# KiCad board keyboard.kicad_pcb (continued)
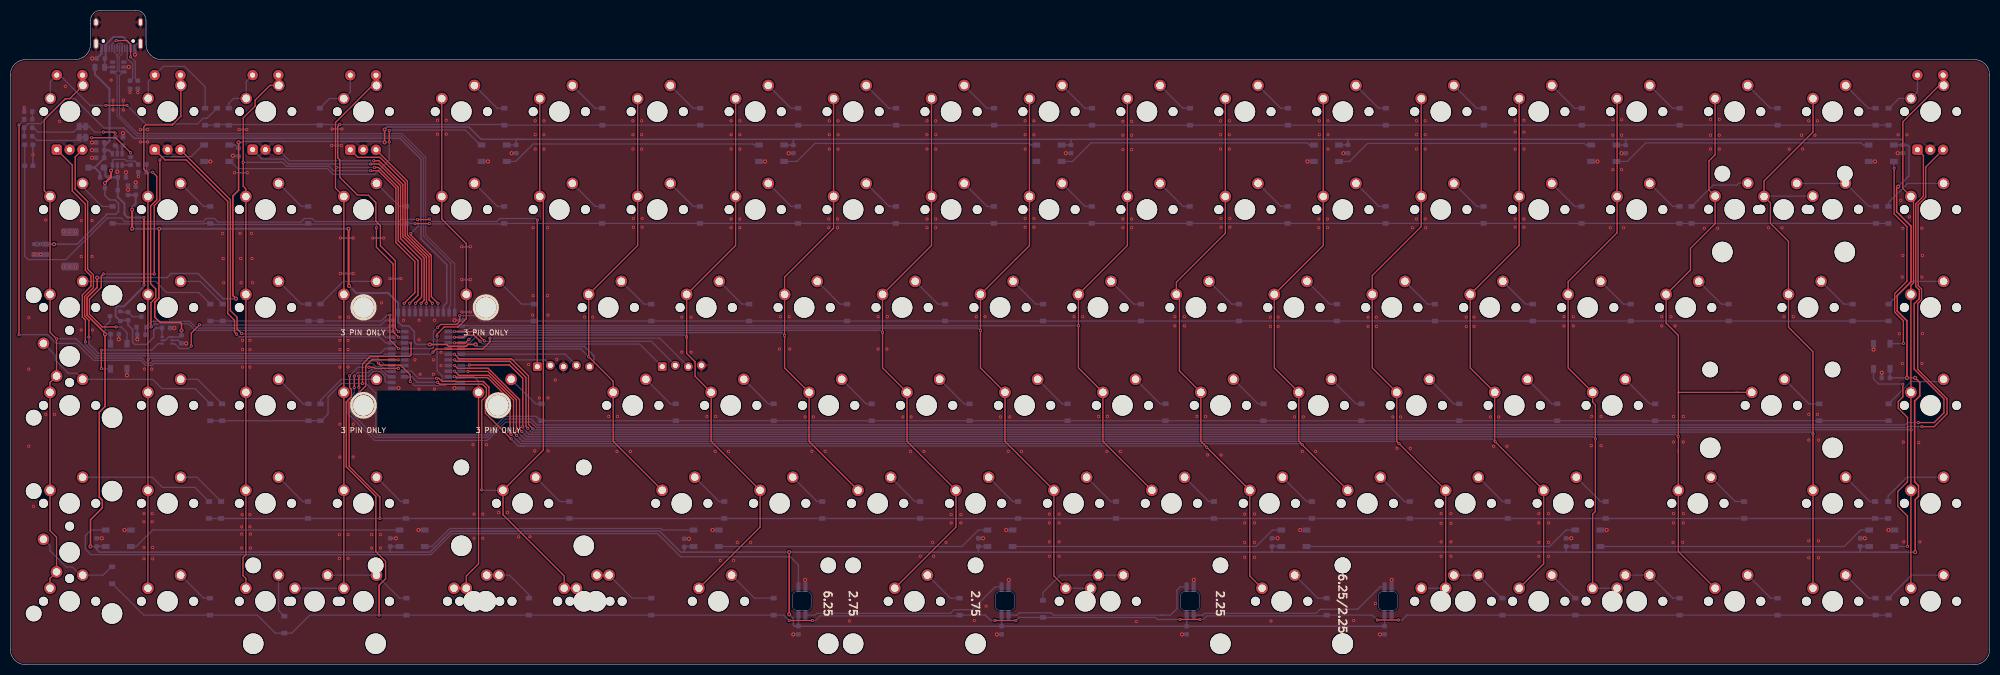
[diagram p0: board, top side]
## Footprints (pads in the part's own frame, mm; a bottom-side part is the same pattern mirrored in y, then rotated) (continued)
  rect 0.7x1.524 smd: 14(-5.5,-9) 15(-4.4,-9) 16(-3.3,-9) 17(-2.2,-9) 18(-1.1,-9) 19(0,-9) 20(1.1,-9) 21(2.2,-9) 22(3.3,-9) 23(4.4,-9) 24(5.5,-9)
R_0603_1608Metric
  rrect 0.875x0.95 smd: 1(-0.787,0) 2(0.787,0)
SK8612-MINI-E
  rrect 1.8x0.82 smd far side: 1(-2.7,0.7) 2(-2.7,-0.66) 4(2.8,0.7)
  rect 1.8x0.82 smd far side: 3(2.8,-0.66)
SolderJumper-2_P1.3mm_Bridged_RoundedPad1.0x1.5mm
  custom 1x1.5 smd: 1(-0.65,0) 2(0.65,0)
SOT-23
  rect 0.9x0.8 smd: 1(-1,0.95) 2(-1,-0.95) 3(1,0)
SOT-23-6
  rect 1.06x0.65 smd: 1(-1.1,0.95) 2(-1.1,0) 3(-1.1,-0.95) 4(1.1,-0.95) 5(1.1,0) 6(1.1,0.95)
SOT-23-6#2
  rrect 1.06x0.65 smd: 1(-1.1,0.95) 2(-1.1,0) 3(-1.1,-0.95) 4(1.1,-0.95) 5(1.1,0) 6(1.1,0.95)
SOT-363_SC-70-6
  rect 0.65x0.4 smd: 1(-0.95,0.65) 2(-0.95,0) 3(-0.95,-0.65) 4(0.95,-0.65) 5(0.95,0) 6(0.95,0.65)
SW_Push_KMR2
  rrect 0.9x1 smd: 1(-2.05,0.8) 1(2.05,0.8) 2(-2.05,-0.8) 2(2.05,-0.8)
USB_C_Receptacle_HRO_TYPE-C-31-M-12
  oval 1.5x2.1 smd: (-4.55,-1.05) (4.55,-1.05)
  oval 1.5x2.5 smd: (-4.55,3.13) (4.55,3.13)
  round 0.65 hole 0.65 unplated: (-2.89,2.6) (2.89,2.6)
  rrect 0.6x1.45 smd: A1(-3.25,4.045) A4(-2.45,4.045) A9(2.45,4.045) A12(3.25,4.045) B1(3.25,4.045) B4(2.45,4.045) B9(-2.45,4.045) B12(-3.25,4.045)
  rrect 0.3x1.45 smd: A5(-1.25,4.045) A6(-0.25,4.045) A7(0.25,4.045) A8(1.25,4.045) B5(1.75,4.045) B6(0.75,4.045) B7(-0.75,4.045) B8(-1.75,4.045)
  oval 1x1.6 hole 0.6x1.2: S1(-4.32,-1.05) S1(4.32,-1.05)
  oval 1x2.1 hole 0.6x1.7: S1(-4.32,3.13) S1(4.32,3.13)

## Nets
+3V3: C19.1 C21.2 J1.5 U1.14 U2.1 U2.5 U3.2
+5V: C25.1 C26.1 D21.2 D23.2 D24.2 F1.1 Q3.1 R10.1 U1.22 U5.4
GND: C1.1 C2.1 C3.1 C4.1 C5.1 C6.1 C7.1 C8.1 C9.1 C10.1 C11.1 C12.1 C13.1 C14.1 C15.1 C16.1 C17.1 C18.1 C19.2 C20.2 C21.1 C22.2 C23.1 C24.1 C25.2 C26.2 C27.1 D1.3 D2.3 D3.3 D4.3 D5.3 D6.3 D7.3 D8.3 D9.3 D10.3 D11.3 D12.3 D13.3 D14.3 D15.3 D16.3 D17.3 D18.3 D19.3 D20.3 J1.3 J2.A1 J2.A12 J2.B1 J2.B12 J2.S1 J3.2 J4.4 K_1.C K_9.C K_15.C K_22.C K_113.C Q1.2 R2.2 R3.2 R4.1 R7.2 R8.1 R10.2 R11.2 SW1.2 U1.1 U1.25 U1.37 U2.2 U3.1 U4.2 U5.2
VBUS: C24.2 F1.2 J2.A4 J2.A9 J2.B4 J2.B9 U4.5
+BATT: J3.1 Q3.3 R1.1 U5.3
/COL0: K_1.S1 K_2.1 K_3.1 K_4.1 K_5.1 K_6.1 K_7.1 K_8.1 U1.36
/COL1: K_9.S1 K_10.1 K_11.1 K_12.1 K_13.1 K_14.1 U1.5
/COL2: K_15.S1 K_16.1 K_17.1 K_18.1 K_19.1 K_20.1 U1.15
/COL3: K_21.1 K_22.S1 K_23.1 K_24.1 K_25.1 K_26.1 K_27.1 U1.16
/COL4: K_28.1 K_29.1 K_30.1 K_31.1 K_32.1 K_120.1 U1.35
/COL5: K_33.1 K_34.1 K_35.1 K_36.1 K_121.1 U1.38
/COL6: K_37.1 K_38.1 K_39.1 K_40.1 K_41.1 U1.30
/COL7: K_42.1 K_43.1 K_44.1 K_45.1 K_46.1 K_47.1 U1.29
/COL8: K_48.1 K_49.1 K_50.1 K_51.1 K_52.1 U1.53
/COL9: K_53.1 K_54.1 K_55.1 K_56.1 K_57.1 K_58.1 U1.28
/COL10: K_59.1 K_60.1 K_61.1 K_62.1 K_63.1 K_64.1 K_66.1 U1.27
/COL11: K_65.1 K_67.1 K_68.1 K_69.1 K_70.1 U1.26
/COL12: K_71.1 K_72.1 K_73.1 K_74.1 K_75.1 K_76.1 U1.39
/COL13: K_77.1 K_78.1 K_79.1 K_80.1 K_81.1 U1.47
/COL14: K_82.1 K_83.1 K_84.1 K_85.1 K_86.1 K_87.1 K_88.1 U1.48
/COL15: K_89.1 K_90.1 K_91.1 K_92.1 K_93.1 K_94.1 U1.34
/COL16: K_95.1 K_96.1 K_97.1 K_98.1 K_99.1 K_100.1 U1.49
/COL17: K_101.1 K_102.1 K_103.1 K_104.1 K_105.1 K_106.1 U1.33
/COL18: K_107.1 K_108.1 K_109.1 K_110.1 K_111.1 K_112.1 U1.50
/COL19: K_113.S1 K_114.1 K_115.1 K_116.1 K_117.1 K_118.1 U1.51
/ENC0_A: K_1.A U1.7
/ENC0_B: K_1.B U1.8
/ENC1_A: K_9.A U1.9
/ENC1_B: K_9.B U1.10
/ENC2_A: K_15.A U1.17
/ENC2_B: K_15.B U1.18
/ENC3_A: K_22.A U1.19
/ENC3_B: K_22.B U1.20
/ENC4_A: K_113.A U1.2
/ENC4_B: K_113.B U1.3
/nRST: J1.1 SW1.1 U1.21
/ROW0: D_1.1 D_8.1 D_13.1 D_18.1 D_24.1 D_31.1 D_36.1 D_42.1 D_47.1 D_53.1 D_58.1 D_64.1 D_69.1 D_75.1 D_80.1 D_86.1 D_93.1 D_99.1 D_103.1 D_109.1 U1.46
/ROW1: D_2.1 D_7.1 D_17.1 D_20.1 D_25.1 D_32.1 D_37.1 D_43.1 D_48.1 D_54.1 D_59.1 D_65.1 D_70.1 D_76.1 D_81.1 D_87.1 D_88.1 D_96.1 D_104.1 D_110.1 U1.45
/ROW2: D_3.1 D_11.1 D_16.1 D_22.1 D_28.1 D_34.1 D_39.1 D_45.1 D_51.1 D_56.1 D_62.1 D_67.1 D_73.1 D_78.1 D_84.1 D_91.1 D_94.1 D_100.1 D_105.1 U1.43
/ROW3: D_4.1 D_12.1 D_21.1 D_27.1 D_33.1 D_38.1 D_44.1 D_49.1 D_55.1 D_60.1 D_66.1 D_71.1 D_77.1 D_83.1 D_92.1 D_95.1 D_101.1 D_106.1 U1.44
/ROW4: D_6.1 D_10.1 D_15.1 D_23.1 D_29.1 D_35.1 D_41.1 D_46.1 D_52.1 D_57.1 D_63.1 D_68.1 D_74.1 D_82.1 D_90.1 D_97.1 D_102.1 D_108.1 U1.41
/ROW5: D_5.1 D_9.1 D_14.1 D_19.1 D_26.1 D_30.1 D_40.1 D_50.1 D_61.1 D_72.1 D_79.1 D_85.1 D_89.1 D_98.1 D_107.1 D_111.1 U1.40
/SPARE_0: J4.1 U1.54
/SPARE_1: J4.2 U1.55
/SPARE_2: J4.3 U1.42
/SWDCLK: J1.4 U1.31
/SWDIO: J1.2 U1.32
/UG_DAT: U1.13 U2.3
/UG_DAT_VBATT: D19.4 U2.4
/UG_EN: Q1.1 R3.1 U1.12
/UG_PWR: C20.1 C22.1 D21.1 Q2.2 Q3.2 R6.2 U2.6 U3.3
/UG_PWR_SW: C1.2 C2.2 C3.2 C4.2 C5.2 C6.2 C7.2 C8.2 C9.2 C10.2 C11.2 C12.2 C13.2 C14.2 C15.2 C16.2 C17.2 C18.2 C23.2 C27.2 D1.1 D2.1 D3.1 D4.1 D5.1 D6.1 D7.1 D8.1 D9.1 D10.1 D11.1 D12.1 D13.1 D14.1 D15.1 D16.1 D17.1 D18.1 D19.1 D20.1 Q2.3
/USB_D+: J2.A6 J2.B6 U1.24 U4.3
/USB_D-: J2.A7 J2.B7 U1.23 U4.4
/USR_LED: D22.2 U1.4
/VSENSE: R1.2 R2.1 U1.11
Net-(D1-Pad2): D1.2 D2.4
Net-(D1-Pad4): D1.4 D20.2
Net-(D2-Pad2): D2.2 D3.4
Net-(D3-Pad2): D3.2 D4.4
Net-(D5-Pad2): D5.2 D6.4
Net-(D5-Pad4): D5.4 D7.2
Net-(D6-Pad2): D6.2 D9.4
Net-(D7-Pad4): D7.4 D8.2
Net-(D10-Pad2): D8.4 D10.2
Net-(D10-Pad4): D10.4 D12.2
Net-(D11-Pad2): D11.2 D13.4
Net-(D11-Pad4): D9.2 D11.4
Net-(D12-Pad4): D12.4 D14.2
Net-(D13-Pad2): D13.2 D15.4
Net-(D14-Pad4): D14.4 D16.2
Net-(D15-Pad2): D15.2 D17.4
Net-(D16-Pad4): D16.4 D18.2
Net-(D17-Pad2): D17.2 D20.4
Net-(D18-Pad4): D18.4 D19.2
Net-(D22-Pad1): D22.1 R11.1
Net-(D23-Pad1): D23.1 JP1.1
Net-(D24-Pad1): D24.1 JP2.1
Net-(D_1-Pad2): D_1.2 K_113.S2
Net-(D_2-Pad2): D_2.2 K_114.2
Net-(D_3-Pad2): D_3.2 K_115.2
Net-(D_4-Pad2): D_4.2 K_116.2
Net-(D_5-Pad2): D_5.2 K_118.2
Net-(D_6-Pad2): D_6.2 K_117.2
Net-(D_7-Pad2): D_7.2 K_107.2 K_110.2
Net-(D_8-Pad2): D_8.2 K_109.2
Net-(D_9-Pad2): D_9.2 K_112.2
Net-(D_10-Pad2): D_10.2 K_111.2
Net-(D_11-Pad2): D_11.2 K_108.2
Net-(D_12-Pad2): D_12.2 K_106.2
Net-(D_13-Pad2): D_13.2 K_103.2
Net-(D_14-Pad2): D_14.2 K_105.2
Net-(D_15-Pad2): D_15.2 K_102.2
Net-(D_16-Pad2): D_16.2 K_101.2
Net-(D_17-Pad2): D_17.2 K_104.2
Net-(D_18-Pad2): D_18.2 K_98.2
Net-(D_19-Pad2): D_19.2 K_97.2 K_100.2
Net-(D_20-Pad2): D_20.2 K_99.2
Net-(D_21-Pad2): D_21.2 K_96.2
Net-(D_22-Pad2): D_22.2 K_95.2
Net-(D_23-Pad2): D_23.2 K_94.2
Net-(D_24-Pad2): D_24.2 K_91.2
Net-(D_25-Pad2): D_25.2 K_92.2
Net-(D_26-Pad2): D_26.2 K_93.2
Net-(D_27-Pad2): D_27.2 K_90.2
Net-(D_28-Pad2): D_28.2 K_89.2
Net-(D_29-Pad2): D_29.2 K_87.2
Net-(D_30-Pad2): D_30.2 K_86.2 K_88.2
Net-(D_31-Pad2): D_31.2 K_84.2
Net-(D_32-Pad2): D_32.2 K_85.2
Net-(D_33-Pad2): D_33.2 K_83.2
Net-(D_34-Pad2): D_34.2 K_82.2
Net-(D_35-Pad2): D_35.2 K_81.2
Net-(D_36-Pad2): D_36.2 K_79.2
Net-(D_37-Pad2): D_37.2 K_80.2
Net-(D_38-Pad2): D_38.2 K_78.2
Net-(D_39-Pad2): D_39.2 K_77.2
Net-(D_40-Pad2): D_40.2 K_76.2
Net-(D_41-Pad2): D_41.2 K_75.2
Net-(D_42-Pad2): D_42.2 K_73.2
Net-(D_43-Pad2): D_43.2 K_74.2
Net-(D_44-Pad2): D_44.2 K_72.2
Net-(D_45-Pad2): D_45.2 K_71.2
Net-(D_46-Pad2): D_46.2 K_70.2
Net-(D_47-Pad2): D_47.2 K_68.2
Net-(D_48-Pad2): D_48.2 K_69.2
Net-(D_49-Pad2): D_49.2 K_67.2
Net-(D_50-Pad2): D_50.2 K_64.2 K_66.2
Net-(D_51-Pad2): D_51.2 K_65.2
Net-(D_52-Pad2): D_52.2 K_63.2
Net-(D_53-Pad2): D_53.2 K_61.2
Net-(D_54-Pad2): D_54.2 K_62.2
Net-(D_55-Pad2): D_55.2 K_60.2
Net-(D_56-Pad2): D_56.2 K_59.2
Net-(D_57-Pad2): D_57.2 K_58.2
Net-(D_58-Pad2): D_58.2 K_56.2
Net-(D_59-Pad2): D_59.2 K_57.2
Net-(D_60-Pad2): D_60.2 K_55.2
Net-(D_61-Pad2): D_61.2 K_54.2
Net-(D_62-Pad2): D_62.2 K_53.2
Net-(D_63-Pad2): D_63.2 K_52.2
Net-(D_64-Pad2): D_64.2 K_50.2
Net-(D_65-Pad2): D_65.2 K_51.2
Net-(D_66-Pad2): D_66.2 K_49.2
Net-(D_67-Pad2): D_67.2 K_48.2
Net-(D_68-Pad2): D_68.2 K_47.2
Net-(D_69-Pad2): D_69.2 K_45.2
Net-(D_70-Pad2): D_70.2 K_46.2
Net-(D_71-Pad2): D_71.2 K_44.2
Net-(D_72-Pad2): D_72.2 K_43.2
Net-(D_73-Pad2): D_73.2 K_42.2
Net-(D_74-Pad2): D_74.2 K_41.2
Net-(D_75-Pad2): D_75.2 K_39.2
Net-(D_76-Pad2): D_76.2 K_40.2
Net-(D_77-Pad2): D_77.2 K_38.2
Net-(D_78-Pad2): D_78.2 K_37.2
Net-(D_79-Pad2): D_79.2 K_36.2 K_121.2
Net-(D_80-Pad2): D_80.2 K_34.2
Net-(D_81-Pad2): D_81.2 K_35.2
Net-(D_82-Pad2): D_82.2 K_33.2
Net-(D_83-Pad2): D_83.2 K_32.2
Net-(D_84-Pad2): D_84.2 K_31.2
Net-(D_85-Pad2): D_85.2 K_30.2 K_120.2
Net-(D_86-Pad2): D_86.2 K_28.2
Net-(D_87-Pad2): D_87.2 K_29.2
Net-(D_88-Pad2): D_88.2 K_23.2
Net-(D_89-Pad2): D_89.2 K_21.2 K_27.2
Net-(D_90-Pad2): D_90.2 K_26.2
Net-(D_91-Pad2): D_91.2 K_24.2
Net-(D_92-Pad2): D_92.2 K_25.2
Net-(D_93-Pad2): D_93.2 K_22.S2
Net-(D_94-Pad2): D_94.2 K_17.2
Net-(D_95-Pad2): D_95.2 K_18.2
Net-(D_96-Pad2): D_96.2 K_16.2
Net-(D_97-Pad2): D_97.2 K_19.2
Net-(D_98-Pad2): D_98.2 K_20.2
Net-(D_99-Pad2): D_99.2 K_15.S2
Net-(D_100-Pad2): D_100.2 K_11.2
Net-(D_101-Pad2): D_101.2 K_12.2
Net-(D_102-Pad2): D_102.2 K_13.2
Net-(D_103-Pad2): D_103.2 K_1.S2
Net-(D_104-Pad2): D_104.2 K_10.2
Net-(D_105-Pad2): D_105.2 K_3.2
Net-(D_106-Pad2): D_106.2 K_4.2 K_5.2
Net-(D_107-Pad2): D_107.2 K_14.2
Net-(D_108-Pad2): D_108.2 K_6.2
Net-(D_109-Pad2): D_109.2 K_9.S2
Net-(D_110-Pad2): D_110.2 K_2.2
Net-(D_111-Pad2): D_111.2 K_7.2 K_8.2
Net-(J2-PadA5): J2.A5 R4.2
Net-(J2-PadB5): J2.B5 R7.1
Net-(JP1-Pad2): JP1.2 R9.2
Net-(JP2-Pad2): JP2.2 R5.2
Net-(Q1-Pad3): Q1.3 Q2.1 R6.1
Net-(R5-Pad1): R5.1 U5.1
Net-(R8-Pad2): R8.2 U5.6
Net-(R9-Pad1): R9.1 U5.5

Pads without a net: D4 2; J2 A8 B8; U1 6 52; U4 1 6

## Via types
v1: diameter 0.6, hole 0.3, Top to Bottom, 583 vias
v2: diameter 0.8, hole 0.4, Top to Bottom, 80 vias

## Routing (per net, layer and track width the routed paths; a pad name or vN(x,y) marks a point on that pad's centre or on a via; arc(x,y) is an arc through that point)
+3V3: length 151
  Top w0.3: v2(90.5,62.3) 89,62.3 88.65,61.95 85.25,61.95 84.9,62.3 v2(81.58,62.3) ; v2(33.3,65) 33.3,66.4 33.1,66.6 29.1,66.6 28.1,67.6 28.1,70.5 28.9,71.3 28.9,84.7 v2(29,84.8)
  Top w0.4: v2(23.7,88.5) v2(23.7,84.8) ; v2(65.8,84.8) 65.8,73.8 v2(65.9,73.7)
  Bottom w0.3: v2(81.58,62.3) 79,62.3 78.6,62.7 78.6,64.8 77.5,65.9 76.2,65.9 75.45,66.65 U1.14 ; 33.16,63.85 33.3,63.99 ; U2.5 30.15,63.1 30.8,63.75 U2.1 32.96,63.75 C19.1 v2(33.3,65) ; v2(90.5,62.3) 90.9,61.9 111.7,61.9 113.51,60.09 113.51,58.82 J1.5
  Bottom w0.4: v2(23.7,88.5) 23.7,89 24.4,89.7 C21.2 24.34,91.35 U3.2 ; U1.14 75.45,70.35 73.5,72.3 67.3,72.3 v2(65.9,73.7) ; v2(23.7,84.8) v2(29,84.8) v2(65.8,84.8)
+5V: length 147.5
  Bottom w0.25: 19.1,104.4 18.2,104.4 12.45,110.15 10.85,110.15 5.95,105.25 3.51,105.25 D23.2
  Bottom w0.3: 16.46,115.95 F1.1 ; 19.3,104.3 19.4,104.4 22.1,104.4 24.1,102.4 75.8,102.4 79.9,98.3 79.9,82.8 84.9,77.8 84.9,70.4 84.25,69.75 U1.22 ; D24.2 D23.2
  Bottom w0.4: Q3.1 17.45,95.65 16.4,96.7 D21.2 16.39,96.7 R10.1 18.31,98.62 C26.1 ; C25.1 18.3,100.11 C26.1 ; C26.1 19.17,100.09 U5.4 ; 18.3,100.9 19.3,101.9 19.3,112.01 16.46,114.85 F1.1
GND: length 105.4
  Bottom w0.25: R11.2 2.71,108.39 v1(2.7,108.4)
  Bottom w0.3: v1(20,107.9) v1(20,109.81) ; R10.2 v2(15.9,98.6) ; C13.1 152.31,5.91 v2(152.3,5.9) ; D5.3 v2(362.4,61.3) ; v2(20.8,95.9) 20.81,95.91 U5.2 ; v2(194.2,16.5) 194.16,16.46 D2.3 ; C9.1 227.91,5.91 v2(227.9,5.9) ; v2(75,24.6) 74.99,24.59 C17.1 ; v2(154.6,16.5) 154.66,16.44 D1.3 ; C18.1 43.39,98.91 v2(43.3,99) ; D17.3 v2(79.4,26.2) ; J2.A1 17.75,120.46 17.42,120.79 J2.S1 ; SW1.2 v1(4.4,99.2) SW1.2 ; C23.1 v2(21.1,63.3) ; C15.1 v2(132,24.5) ; C20.2 v2(31.9,65.5) ; v1(46.1,95.7) v1(43.6,95.7) ; C5.1 303.59,24.59 v2(303.6,24.6) ; D10.3 v2(252.3,97.9) ; v2(266.4,5.9) 266.41,5.91 C6.1 ; C7.1 259.31,99.51 v2(259.3,99.5) ; C3.1 360.69,24.59 v2(360.7,24.6) ; D6.3 v2(365.3,26.2) ; D16.3 v2(92.9,97.9) ; v1(22,107.9) v1(22,109.81) ; v2(268.7,16.5) 268.66,16.46 D4.3 ; v2(24.7,63.3) 24.71,63.31 R3.2 24.71,65.54 Q1.2 ; D7.3 v2(362.7,97.9) ; D18.3 v2(38.9,97.9) ; v2(191.9,5.9) 191.91,5.91 C11.1 ; R4.1 v1(24.8,111.29) ; D13.3 v2(193.7,26.2) ; 245.4,24.6 v2(246.5,24.6) ; C2.1 v2(364,56.8) ; C14.1 v2(151.4,99.5) ; 16.8,24.6 v2(17.8,24.6) ; C1.1 367.11,99.51 v2(367.1,99.5) ; D8.3 v2(308.7,97.9) ; D15.3 v2(136.6,26.2) ; 188.3,24.6 v2(189.2,24.6) ; R7.2 v1(23.3,111.3) ; C10.1 205.31,99.51 v2(205.3,99.5) ; U1.37 v2(86.4,53.8) ; R8.1 v2(21.91,103.4) ; C16.1 97.51,99.51 v2(97.5,99.5) ; U2.2 32.71,63.1 C19.2 34.19,62.51 v2(34.2,62.5) ; J2.A12 24.25,120.46 24.58,120.79 J2.S1 ; D3.3 230.16,16.46 v2(230.2,16.5) ; D19.3 v2(22.7,56.3) ; C4.1 v2(313.4,99.5) ; R2.2 v1(24.9,95) ; C26.2 15.9,100.09 ; 16.72,101.59 15.9,101.59 ; D14.3 v2(146.8,97.9) ; U1.1 v2(75.5,53.8) ; D11.3 v2(250.9,26.2) ; U1.25 v2(86.42,67) ; D20.3 v2(22.2,26.2) ; D9.3 v2(310.5,26.2)
  Bottom w0.4: v1(70.5,83) v1(72.62,83) ; v1(89.5,74.9) v1(87.8,74.9) ; v1(62.5,101) v1(64.4,101) ; v1(76,75.1) v1(73.83,75.1) ; v1(89.5,68.6) v1(87.8,68.6) ; C22.2 22.49,95.79 v2(22.5,95.8) ; v1(44.5,104.1) v1(46,104.1) ; J2.A12 v2(24.25,118.66) ; C21.1 v2(24.4,93.8) ; v1(25.3,101.7) v1(26.7,101.7) ; v2(15.95,117.91) C24.1 17.75,118.85 J2.A1 ; v1(25.3,104.1) v1(26.7,104.1) ; v2(23.05,116.26) U4.2 22.15,116.21 ; v1(66.7,83) v1(64.2,83) ; U3.1 v2(22.9,92.4) ; v1(62.6,104.2) v1(64.5,104.2) ; v1(66.7,76.1) v1(64.2,76.1) ; v1(89.5,81.3) v1(87.8,81.3)
  vias: v1(3.6,67.5) v1(3.6,57.5) v1(3.6,42.5) v1(4.5,30.8) v1(4.6,79.8) v1(5.9,79.8) v1(6.9,86.5) v1(6.9,48.7) v1(8.6,48.7) v1(9.6,105.7) v1(10.4,84.2) v1(10.4,77.4) v1(10.7,112.5) v1(11.6,84.2) v1(11.6,77.4) v1(12.7,84.2) v1(12.7,77.4) v1(13.8,86.4) v1(13.8,79.4) v1(13.8,65.1) v1(15.9,86.4) v1(15.9,79.4) v1(16,65.1) v1(19.6,113.71) v1(26,29.4) v1(26,27.8) v1(26,22.8) v1(26,20.6) v1(26.1,57.5) v1(27.5,57.5) v1(27.6,29.4) v1(27.6,27.8) v1(27.7,22.8) v1(27.7,20.6) v1(41.3,83.9) v1(41.4,79) v1(41.5,74.3) v1(44.7,83.9) v1(44.8,79) v1(44.9,74.3) v1(45,26.82) v1(45,25.4) v1(45,22.7) v1(45.1,29.2) v1(45.2,63.1) v1(45.2,61.3) v1(45.2,57.9) v1(46.6,63.1) v1(46.6,61.3) v1(46.6,57.9) v1(46.6,29.2) v1(46.6,26.82) v1(46.7,25.4) v1(46.7,22.7) v1(46.9,83.9) v1(47,79) v1(47.1,74.3) v1(64,25.3) v1(64,20.7) v1(64.1,67.6) v1(64.1,63.1) v1(64.1,61.3) v1(64.1,57.9) v1(64.1,46.8) v1(64.1,40.4) v1(65.7,63.1) v1(65.7,61.3) v1(65.7,57.9) v1(65.7,25.3) v1(65.7,20.7) v1(65.8,67.6) v1(66.7,46.8) v1(66.7,40.4) v1(70.3,25.3) v1(70.3,22.7) v1(72,25.3) v1(72,22.7) v1(72.2,70.4) v1(76.5,67) v1(78.7,59.3) v1(79.5,67) v1(79.5,63.2) v1(79.5,53.6) v1(79.7,56.5) v1(82.3,59.3) v1(82.3,56.5) v1(82.5,67) v1(82.5,53.6) v1(83.1,105.9) v1(83.1,103.2) v1(83.8,60.78) v1(83.8,58.2) v1(84.8,105.9) v1(84.8,103.2) v1(90,42.8) v1(90.2,29.3) v1(90.2,24.6) v1(91.9,29.3) v1(91.9,24.6) v1(92.6,42.8) v1(95,29.6) v1(96.7,29.6) v1(98.86,24.88) v1(100.8,58.4) v1(101.07,24.88) v1(101.6,68) v1(101.7,85) v1(101.7,71.8) v1(102,41.6) v1(102.1,105.8) v1(102.1,103.1) v1(102.1,100.3) v1(102.9,51.9) v1(103.8,105.8) v1(103.8,103.1) v1(103.8,100.3) v1(104.5,85) v1(104.5,71.8) v1(104.6,68) v1(104.6,51.9) v1(104.6,41.6) v1(106,55.4) v1(106.3,59.4) v1(111.7,67.6) v1(113.3,67.6) v1(116.4,48.3) v1(118,41.5) v1(118.1,48.3) v1(120.6,41.5) v1(121.1,105.8) v1(121.1,103.1) v1(121.1,100.3) v1(121.2,86.8) v1(121.2,85.1) v1(122.8,105.8) v1(122.8,103.1) v1(122.8,100.3) v1(122.9,86.8) v1(122.9,85.1) v1(130.6,67.6) v1(130.6,60.8) v1(132.4,67.6) v1(132.4,60.8) v1(135.5,48.3) v1(137.1,41.5) v1(137.2,48.3) v1(138.1,20.3) v1(139.7,41.5) v1(140.2,105.8) v1(140.2,103.1) v1(140.2,100.3) v1(140.2,86.7) v1(140.2,85) v1(140.7,20.3) v1(141.4,23.8) v1(141.9,105.8) v1(141.9,103.1) v1(141.9,100.3) v1(141.9,86.7) v1(141.9,85) v1(144,23.8) v1(149.6,61.4) v1(149.8,67.7) v1(151.5,67.7) v1(151.6,61.4) v1(154.6,48.2) v1(155.9,41.5) v1(156.2,48.2) v1(158.5,41.5) v1(159.2,86.7) v1(159.2,85) v1(159.3,105.8) v1(159.3,103.1) v1(159.3,100.3) v1(160.9,86.7) v1(160.9,85) v1(161,105.8) v1(161,103.1) v1(161,100.3) v1(163.2,8.5) v1(168.8,67.7) v1(168.8,61.4) v1(170.5,61.4) v1(170.6,67.7) v1(173.6,48.2) v1(175.1,41.5) v1(175.2,48.2) v1(177,21.1) v1(177.7,41.5) v1(178.3,105.8) v1(178.3,103.1) v1(178.3,100.3) v1(178.3,86.7) v1(178.3,85) v1(179.4,23.8) v1(179.6,21.1) v1(180,105.8) v1(180,103.1) v1(180,100.3) v1(180,86.7) v1(180,85) v1(182,23.8) v1(183,29.2) v1(183,27.6) v1(184.9,29.2) v1(184.9,27.6) v1(187.5,8.6) v1(187.9,67.7) v1(189.6,67.7) v1(189.8,11.4) v1(192.6,48.2) v1(194.1,41.5) v1(194.4,48.2) v1(196.7,41.5) v1(197.4,105.8) v1(197.4,103.1) v1(197.4,100.3) v1(197.4,86.8) v1(197.4,85.1) v1(199.1,105.8) v1(199.1,103.1) v1(199.1,86.8) v1(199.1,85.1) v1(202.1,29.3) v1(202.1,27.6) v1(202.1,23.9) v1(202.1,21.1) v1(204,29.3) v1(204,27.6) v1(204,23.9) v1(204,21.1) v1(206.9,67.7) v1(208.6,67.7) v1(211.7,48.3) v1(213.3,41.5) v1(213.4,48.3) v1(215.9,41.5) v1(216.4,105.7) v1(216.4,103) v1(216.4,100.2) v1(216.4,86.7) v1(216.4,85) v1(218.1,105.7) v1(218.1,103) v1(218.1,100.2) v1(218.1,86.7) v1(218.1,85) v1(219,8.4) v1(226.5,67.7) v1(226.5,65.9) v1(228.4,67.7) v1(228.4,65.9) v1(230.8,48.3) v1(232.5,48.3) v1(232.9,40.8) v1(235.4,105.8) v1(235.4,103.1) v1(235.4,100.3) v1(235.5,86.8) v1(235.5,85.1) v1(235.5,40.8) v1(237.1,105.8) v1(237.1,103.1) v1(237.1,100.3) v1(237.2,86.8) v1(237.2,85.1) v1(240.1,29.3) v1(240.1,27.6) v1(240.1,23.8) v1(240.1,20.9) v1(242,29.3) v1(242,27.6) v1(242,23.8) v1(242,20.9) v1(245.1,67.6) v1(245.1,65.8) v1(245.2,8.5) v1(246.6,67.6) v1(246.6,65.8) v1(249.8,48.2) v1(251.3,41.5) v1(251.5,48.2) v1(253.9,41.5) v1(254.5,86.7) v1(254.5,85) v1(254.6,105.8) v1(254.6,103.1) v1(256.2,86.7) v1(256.2,85) v1(256.3,105.8) v1(256.3,103.1) v1(256.3,100.3) v1(261.3,8.6) v1(264.1,67.6) v1(264.1,65.8) v1(265.5,11.9) v1(265.7,67.6) v1(265.7,65.8) v1(268.9,48.2) v1(269.7,42.1) v1(270.4,48.2) v1(272.3,42.1) v1(272.7,85) v1(273.5,105.8) v1(273.5,103.1) v1(273.5,100.3) v1(273.5,86.7) v1(275.2,105.8) v1(275.2,103.1) v1(275.2,100.3) v1(275.2,86.7) v1(275.3,85) v1(278.3,29.4) v1(278.3,27.5) v1(278.3,23.9) v1(278.3,21.1) v1(280.2,29.4) v1(280.2,27.5) v1(280.2,23.9) v1(280.2,21.1) v1(283.2,67.6) v1(283.2,65.8) v1(284.7,67.6) v1(284.7,65.8) v1(287.9,48.2) v1(288.5,42.5) v1(289.5,48.2) v1(291.1,42.5) v1(292.7,105.9) v1(292.7,103.6) v1(292.7,100.3) v1(292.7,86.7) v1(292.7,85.1) v1(294.4,105.9) v1(294.4,103.6) v1(294.4,100.3) v1(294.4,86.7) v1(294.4,85.1) v1(297.3,29.4) v1(297.3,27.6) v1(297.3,23.8) v1(297.3,21.1) v1(299.2,29.4) v1(299.2,27.6) v1(299.2,23.8) v1(299.2,21.1) v1(302.2,67.7) v1(302.2,65.9) v1(304,67.7) v1(304,65.9) v1(307.5,42.6) v1(307.6,48.3) v1(309.4,48.3) v1(309.4,42.6) v1(311.2,85) v1(311.7,106) v1(311.7,103) v1(311.7,96.3) v1(313.4,106) v1(313.4,103) v1(313.4,96.3) v1(313.8,85) v1(321.2,67.7) v1(321.2,65.9) v1(323,67.7) v1(323.4,23.8) v1(323.5,48.3) v1(323.5,43.3) v1(323.5,29.4) v1(323.5,27.6) v1(323.8,65.9) v1(325.3,23.8) v1(325.4,48.3) v1(325.4,43.3) v1(325.4,29.4) v1(325.4,27.6) v1(329.5,84.9) v1(330.7,106.1) v1(330.7,103) v1(330.7,100.3) v1(332.1,84.9) v1(332.4,106.1) v1(332.4,103) v1(332.4,100.3) v1(342,85) v1(344.6,85) v1(345,67.7) v1(346,100.3) v1(346.8,67.7) v1(348.4,103) v1(348.6,100.3) v1(349.8,105.8) v1(349.8,48.7) v1(349.8,43.7) v1(349.8,24.1) v1(349.8,20.8) v1(351,103) v1(351.5,105.8) v1(351.5,48.7) v1(351.7,43.7) v1(351.7,24.1) v1(351.7,20.8) v1(367.2,103.1) v1(367.4,64.4) v1(367.7,90.3) v1(368,75.4) v1(368,58.6) v1(368.1,84.9) v1(368.1,79.6) v1(368.2,43.3) v1(368.3,23.9) v1(368.9,103.1) v1(369.4,87.1) v1(371.2,43.2) v1(371.4,23.9) v1(371.8,84.9) v1(371.8,75.4) v1(371.8,58.6) v1(371.9,79.6) v1(371.9,64.4) v2(15.9,101.6) v2(15.9,100.1)
VBUS: length 12.9
  Bottom w0.3: U4.5 19.85,116.21 F1.2 18.34,117.86 C24.2
  Bottom w0.4: C24.2 18.55,118.08 J2.A4 18.55,120.59 20.08,122.11 21.92,122.11 23.45,120.59 J2.A9
+BATT: length 35.6
  Top w0.4: v2(19.6,96.1) 19.6,94.9 v2(18.4,93.7)
  Bottom w0.25: U5.3 19.9,97.24 19.9,98.1 20.1,98.3 22.3,98.3 22.63,97.97 24.23,97.97 R1.1
  Bottom w0.3: v2(8.5,81.8) 13,81.8 18.85,87.65 20.55,87.65 21.05,88.15 21.05,89.75 20.4,90.4 19.3,90.4 18.4,91.3 Q3.3
  Bottom w0.4: v2(18.4,93.7) Q3.3 ; U5.3 19.86,96.36 v2(19.6,96.1) ; v2(8.5,81.8) v1(5.85,81.8)
  vias: v1(4.6,81.8)
/COL0: length 189.9
  Top w0.25: K_8.1 7.73,16.78 K_7.1 9,24.8 7.73,26.07 K_6.1 K_5.1 7.73,54.88 K_4.1 9,63.4 v1(9,63.4) 7.73,64.67 K_3.1 K_2.1 6.6,92.2 6.6,106 10.7,110.1 11.55,110.1 K_1.S1 14.14,114.59 K_1.S1 ; v1(77.8,55.1) 77.8,56.4 75.92,58.28 72,58.28 v1(71.6,58.68)
  Bottom w0.25: v1(77.8,55.1) 78.6,54.3 84.66,54.3 84.89,54.53 86.43,54.53 86.8,54.9 U1.36 ; v1(71.6,58.68) 71.18,59.1 27.7,59.1 27.28,58.68 26.56,58.68 25.59,59.65 16.55,59.65 12.8,63.4 v1(9,63.4)
/COL1: length 154.9
  Top w0.25: 31.5,105 31.7,105.2 ; 31.5,105 33.19,106.69 K_9.S1 ; 31.5,105 26.3,105 25.98,104.68 25.98,96.42 26,96.4 ; 26,96.4 26.78,95.62 K_10.1 K_11.1 26.78,72.03 26.78,59.34 v1(26.81,59.31) 26.78,59.28 K_12.1 K_13.1 K_14.1 ; 26,96.4 26.15,96.25
  Bottom w0.25: U1.5 72.98,58.2 71.56,59.62 27.12,59.62 v1(26.81,59.31) ; K_9.S1 33.09,112.79 K_9.S1
/COL2: length 162.8
  Top w0.25: v1(70.1,96.1) 71.6,96.1 75,92.7 75,82.1 78.7,78.4 78.7,72.4 v1(76.6,70.3) ; K_20.1 45.83,16.77 45.26,17.34 45.26,20.84 45.83,21.41 K_19.1 K_18.1 K_17.1 K_16.1 45.83,92.57 45.3,93.1 45.3,106.36 47.62,108.68 47.62,109.82 50.49,112.69 K_15.S1 52.24,114.59 K_15.S1
  Bottom w0.25: v1(76.6,70.3) 76.55,70.25 U1.15 ; v1(45.3,97.72) 52.98,97.72 53.75,96.95 62.05,96.95 62.9,96.1 v1(70.1,96.1)
/COL3: length 154.1
  Top w0.25: v1(77.7,70.3) 79.3,71.9 79.3,78.6 75.45,82.45 75.45,92.89 71.61,96.72 v1(70.8,96.72) ; K_27.1 K_26.1 K_25.1 K_24.1 K_23.1 63.25,92.7 63.25,105.47 70.44,112.67 K_22.S1
  Bottom w0.25: K_27.1 K_21.1 ; v1(70.8,96.72) v1(63.4,96.72) ; U1.16 77.65,70.25 v1(77.7,70.3) ; K_22.S1 71.13,112.77 K_22.S1
/COL4: length 112.4
  Top w0.25: v1(83,63.9) 83,64.3 84.4,65.7 87.1,65.7 88.69,67.29 K_31.1 88.69,81.91 83.93,86.67 K_29.1 K_28.1 ; K_30.1 K_120.1 88.69,17.26 91.07,19.64 K_32.1
  Bottom w0.25: K_32.1 91.07,55.13 90.2,56 U1.35 87.2,56 86.45,55.25 84.25,55.25 84,55.5 84,56.2 83,57.2 v1(83,63.9)
/COL5: length 147.2
  Top w0.25: v1(91.7,34) 91.7,51.4 92.6,52.3 92.6,53.8 91.84,54.56 83.49,54.56 v1(83.12,54.94) ; K_34.1 K_35.1 103.67,90.38 103.67,41.77 K_33.1 95.83,29.16 107.74,17.26 K_121.1 K_36.1
  Bottom w0.25: U1.38 78.1,56 79.16,54.94 v1(83.12,54.94) ; v1(91.7,34) 91.77,33.93 K_33.1
/COL6: length 111.5
  Top w0.25: K_39.1 K_40.1 122.03,81.55 K_37.1 112.5,59.9 v1(112.5,59.9) 117.26,55.13 K_38.1 117.26,43.45 K_41.1
  Bottom w0.25: v1(112.5,59.9) 110.97,61.43 87.77,61.43 U1.30
/COL7: length 154.7
  Top w0.25: K_45.1 K_46.1 141.08,81.55 K_42.1 v1(131.55,63.75) 131.55,60.55 133.2,58.9 133.2,56.09 K_44.1 136.31,43.45 K_47.1 145.84,26.78 K_43.1
  Bottom w0.25: v1(131.55,63.75) 131.15,64.15 90.95,64.15 89.4,62.6 U1.29
/COL8: length 152.8
  Top w0.25: 160.13,84.93 159.9,84.7 ; 160.13,84.93 150.6,75.4 K_48.1 150.6,57.74 K_49.1 155.37,43.45 K_52.1 ; 160.13,84.93 K_51.1 K_50.1 ; v1(89.2,63.3) 88.5,62.6 v1(86.4,62.6)
  Bottom w0.25: v1(89.2,63.3) 89.26,63.3 90.56,64.6 150.05,64.6 v1(150.6,64.05) ; U1.53 v1(86.4,62.6)
/COL9: length 192.7
  Top w0.25: K_56.1 K_57.1 179.18,81.55 K_53.1 v1(169.65,64.6) 169.65,57.74 K_55.1 174.42,43.45 K_58.1 183.94,26.78 K_54.1
  Bottom w0.25: v1(169.65,64.6) 169.21,65.05 89.88,65.05 88.53,63.7 U1.28
/COL10: length 212.4
  Top w0.25: 205.37,14.88 202.99,17.26 K_63.1 193.46,43.45 K_60.1 188.7,57.74 v1(188.7,65) K_59.1 195.68,79 195.7,79 198.23,81.53 K_62.1 K_61.1
  Bottom w0.25: v1(188.7,65) 188.21,65.5 89.41,65.5 88.71,64.8 U1.27 ; 210.17,14.91 K_66.1 205.37,14.88
/COL11: length 206.1
  Top w0.25: K_68.1 K_69.1 217.28,81.55 K_65.1 v1(207.75,65.95) 207.75,57.74 K_67.1 212.51,43.45 K_70.1
  Bottom w0.25: v1(207.75,65.95) 87.75,65.95 U1.26
/COL12: length 273.3
  Top w0.25: v1(82.91,55.71) 83.39,55.71 84,55.1 92,55.1 ; 92,55.1 93.1,54 93.1,52.16 92.4,51.46 92.4,48.92 97.39,43.93 v1(97.41,43.93) ; 92,55.1 92.2,54.9 ; K_73.1 K_74.1 236.33,83.93 226.8,74.4 K_71.1 227.4,71.43 227.4,57.14 K_72.1 231.56,43.45 K_75.1 241.09,17.26 K_76.1
  Bottom w0.25: v1(232.7,42.3) 232.45,42.55 99.25,42.55 ; v1(82.91,55.71) 79.39,55.71 78,57.1 U1.39 ; v1(97.41,43.93) 98.78,42.55 99.25,42.55 ; 99.25,42.55 100.02,42.55
/COL13: length 261.5
  Top w0.25: v1(86.36,56.04) 86.66,56.04 86.85,55.85 92.85,55.85 97.2,51.5 97.2,45 v1(97.4,44.8) ; K_79.1 K_80.1 255.38,81.55 K_77.1 245.85,57.74 K_78.1 250.62,43.48 v1(251.3,42.8) 251.3,42.77 K_81.1
  Bottom w0.25: v1(251.3,42.8) 251.1,43 99.21,43 97.42,44.8 v1(97.4,44.8) ; U1.47 86.32,56 v1(86.36,56.04)
/COL14: length 304.3
  Top w0.25: K_84.1 K_85.1 274.43,85.23 264.9,75.7 K_82.1 264.9,57.74 K_83.1 269.67,43.44 v1(270.1,43) 270.12,43 K_87.1 K_88.1 ; v1(86.44,57.1) 87.24,56.3 93.04,56.3 97.88,51.46 97.88,45.23 v1(98.5,44.6)
  Bottom w0.25: v1(98.5,44.6) 99.65,43.45 269.65,43.45 v1(270.1,43) ; K_88.1 K_86.1 ; U1.48 v1(86.44,57.1)
/COL15: length 317.4
  Top w0.25: v1(98.5,45.5) 98.44,45.56 98.44,51.53 92.92,57.05 v1(89,57.05) ; K_93.1 298.24,19.64 K_94.1 288.71,43.45 K_90.1 283.95,57.74 K_89.1 293.48,81.55 K_92.1 K_91.1
  Bottom w0.25: U1.34 88.95,57.1 v1(89,57.05) ; v1(288.8,43.4) 288.3,43.9 269.83,43.9 100.08,43.9 98.5,45.48 v1(98.5,45.5)
/COL16: length 338.8
  Top w0.25: v1(86.44,58.2) 86.96,57.68 92.93,57.68 99.05,51.55 99.05,45.82 v1(99.51,45.36) ; K_97.1 307.76,29.26 308.3,29.8 v1(308.3,43.9) 308.3,50.58 307.76,51.11 K_96.1 303,57.74 K_95.1 303,74.5 312.53,84.03 K_99.1 K_98.1
  Bottom w0.25: v1(99.51,45.36) 100.52,44.35 100.76,44.35 100.76,44.35 269.65,44.35 307.85,44.35 v1(308.3,43.9) ; U1.49 v1(86.44,58.2) ; K_100.1 K_97.1
/COL17: length 368.1
  Top w0.25: 324.43,41.37 324.43,52.93 ; 324.43,41.37 K_102.1 324.43,22.02 K_105.1 ; 324.43,41.37 324.43,41.83 ; 324.43,52.93 324.48,52.98 335.92,52.98 ; 324.43,52.93 324.43,64.07 322.05,66.45 K_101.1 326.8,76.78 326.8,81 331.59,85.79 K_104.1 330.4,92.33 330.4,98 331.58,99.18 K_103.1 ; 335.92,52.98 K_106.1 338.72,53.68 ; 335.92,52.98 335.58,52.98 ; v1(99.68,46.3) 99.68,55.72 97.1,58.3 v1(89.3,58.3)
  Bottom w0.25: U1.33 89.2,58.2 v1(89.3,58.3) ; v1(99.68,46.3) 99.68,46.07 100.95,44.8 100.99,44.8 324,44.8 v1(324.4,44.4)
/COL18: length 389.7
  Top w0.25: K_109.1 350.63,103.63 341.1,94.1 K_107.1 342.28,89.9 342.3,89.9 342.35,89.85 342.35,85.85 345.87,82.33 K_108.1 345.87,65.63 350.63,60.87 K_111.1 K_112.1 ; v1(86.44,59.3) 86.74,59 97.16,59 100.3,55.86 100.3,46.33 v1(100.62,46.01)
  Bottom w0.25: U1.50 v1(86.44,59.3) ; v1(100.62,46.01) 101.38,45.25 101.55,45.25 350.29,45.25 v1(350.64,44.9) ; K_107.1 341.17,91.14 K_110.1
/COL19: length 400.8
  Top w0.25: v1(86.4,60.4) 87.3,59.5 97.5,59.5 100.8,56.2 100.8,46.73 v1(101.65,45.87) ; K_113.S1 375.18,112.68 368.1,105.6 368.1,92.66 K_114.1 370.17,90.58 370.17,74.3 369.68,73.81 K_115.1 K_116.1 K_117.1 K_118.1
  Bottom w0.25: K_113.S1 375.94,112.78 K_113.S1 ; v1(369.7,45.7) 101.83,45.7 v1(101.65,45.87) ; U1.51 v1(86.4,60.4)
/ENC0_A: length 102.2
  Top w0.25: v1(14.6,62.8) 14.6,67.02 14,67.62 14,71.95 15.7,73.65 15.7,75.6 14.6,76.7 14.6,89.6 12.05,92.15 12.05,97.17 K_1.A
  Bottom w0.25: v1(14.6,62.8) 14.6,62.3 16.8,60.1 72.5,60.1 72.8,60.4 U1.7
/ENC0_B: length 101
  Top w0.25: v1(15.3,63.7) 15.3,66.96 14.45,67.81 14.45,71.62 16.18,73.35 16.18,75.82 15.05,76.95 15.05,90.09 12.63,92.51 12.63,98.78 K_1.B
  Bottom w0.25: v1(15.3,63.7) 15.3,62.4 17.15,60.55 71.95,60.55 72.9,61.5 U1.8
/ENC1_A: length 75.8
  Top w0.25: v1(44,64.3) 43.6,64.7 43.6,67 42.3,68.3 42.3,90.1 34.2,98.2 30.07,98.2 K_9.A
  Bottom w0.25: v1(44,64.3) 44.5,63.8 71.8,63.8 73,62.6 U1.9
